# Altium PCB 主板.PcbDoc (part 2 of 2)
Units mil, origin at the board's own origin, x right, y up, seen from the top; angles counter-clockwise.
Board outline 7995 x 3149.61 mil, 2 copper layers (Top Layer, Bottom Layer); 88 components, 104 nets, 424 pads, 124 vias.
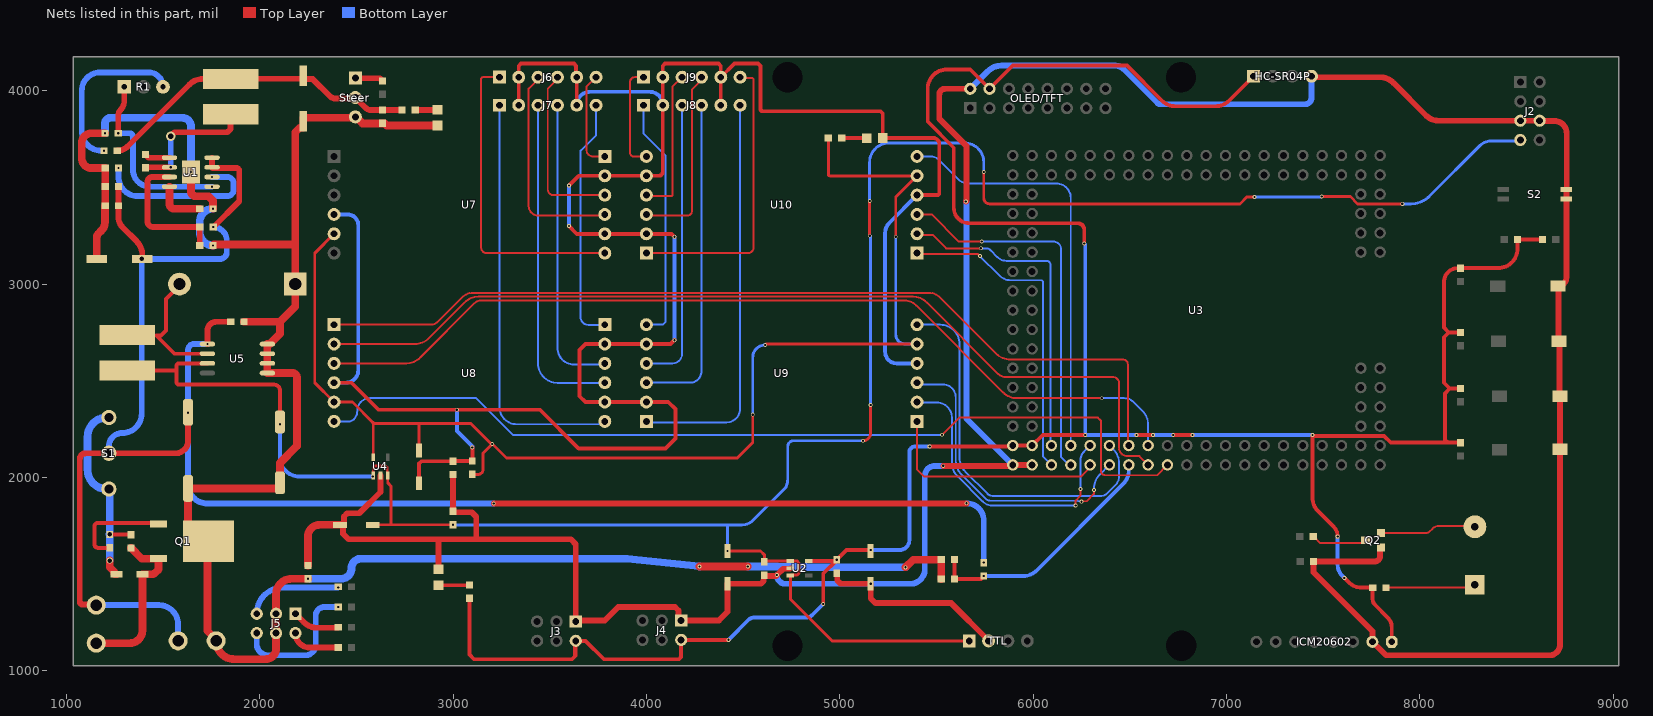
[diagram p2: the nets of this part, all layers, seen from the top]

## Via types
v1: diameter 19.68, hole 11.81, Top Layer to Bottom Layer, 120 vias
v2: diameter 31.5, hole 23.62, Top Layer to Bottom Layer, 3 vias
v3: diameter 50, hole 30, Top Layer to Bottom Layer, 1 vias

## Nets (pads, with @x,y where several pads share a name; then routed paths per layer and width w, separated by ;. In a path a pad name is that pad's centre, name@x,y a point inside that pad or via, vN(x,y) a via of type N, cw(c..) or ccw(c..) an arc to the next point about the centre after c; other vN are vias at no path point) (continued)
A4: U3.17 U8.7 | length 4798.3
  Top Layer w10: v1(5529.53,2220.47) 5618.58,2309.53 6335.47,2309.53 6350.47,2294.53 6350.47,2034.53 ccw(c6373.51,2034.53) 6373.51,2011.49 6641.49,2011.49 U3.17@6695,2065
  Bottom Layer w10: U8.7@2385,2290 2463.38,2290 ; 2463.43,2290 ccw(c2463.43,2322.08) 2486.11,2299.4 ccw(c2440.51,2345) 2505,2345 cw(c2570,2345) 2570,2410 3120,2410 3309.53,2220.47 v1(5529.53,2220.47)
A5: U3.16 U8.10 | length 4721.6
  Top Layer w10: U8.10@2385,2590 2758.58,2590 ccw(c2758.58,2690) 2829.29,2619.29 3110.86,2900.86 cw(c3145,2866.72) 3145,2915 5335,2915 cw(c5335,2830.5) 5394.75,2890.25 5845.71,2439.29 ccw(c5916.42,2510) 5916.42,2410 v1(6355,2410)
  Bottom Layer w10: v1(6355,2410) 6471.72,2410 cw(c6471.72,2341.72) 6520,2390 6565.71,2344.29 cw(c6495,2273.58) 6595,2273.58 U3.16@6595,2165
A6: U3.15 U8.11 | length 4863.8
  Top Layer w10: U8.11@2385,2690 2803.58,2690 ccw(c2803.58,2790) 2874.29,2719.29 3060.71,2905.71 cw(c3131.42,2835) 3131.42,2935 3135,2935 5365,2935 5378.58,2935 cw(c5378.58,2835) 5449.29,2905.71 5820,2535 ccw(c5856.21,2571.21) 5856.21,2520 6410,2520 cw(c6410,2485) 6445,2485 6445,2152.03 ccw(c6486.56,2152.03) 6486.56,2110.47 6549.53,2110.47 U3.15@6595,2065
A7: U3.14 U8.12 | length 4738.8
  Top Layer w10: U8.12@2385,2790 2883.79,2790 ccw(c2883.79,2841.21) 2919.99,2804.99 3045.25,2930.25 cw(c3105,2870.5) 3105,2955 5460,2955 cw(c5460,2870.5) 5519.75,2930.25 5810.71,2639.29 ccw(c5881.42,2710) 5881.42,2610 6465,2610 cw(c6465,2585) 6490,2585 6490,2170 U3.14@6495,2165
A8: C21.1 R18.1 R19.2 U3.13 | length 1278.7
  Top Layer w20: C21.1@5594,1575 R19.2@5594,1475 5730,1475 5736,1481 5737.5,1481 5745,1488.5 v1(5745,1490)
  Bottom Layer w20: v1(5745,1490) 5948.58,1490 ccw(c5948.58,1590) 6019.29,1519.29 6465.71,1965.71 ccw(c6395,2036.42) 6495,2036.42 U3.13@6495,2065
A10: U3.12 U9.7 | length 2025.6
  Bottom Layer w10: U9.7@5405,2785 U9.7@5400,2790 5520,2790 cw(c5520,2690) 5620,2690 5620,2101.42 ccw(c5720,2101.42) 5649.29,2030.71 5765,1915 ccw(c5789.14,1939.14) 5789.14,1905 6355.25,1905 ccw(c6355.25,1939.75) 6379.82,1915.18 6429.31,1964.66 ccw(c6378.03,2007.74) 6445,2007.74 6445,2073.58 ccw(c6345,2073.58) 6415.71,2144.29 U3.12@6395,2165
A11: U3.11 U9.10 | length 1586.4
  Top Layer w10: v1(6250,1875) 6251.85,1876.85 6276.85,1876.85 6315,1915 v1(6315,1935)
  Bottom Layer w10: U9.10@5400,2490 5409.27,2480.73 5534.27,2480.73 cw(c5534.27,2415) 5600,2415 5600,2086.42 ccw(c5700,2086.42) 5629.29,2015.71 5755,1890 ccw(c5779.9,1914.9) 5779.9,1879.68 6230.29,1879.68 6233.12,1876.85 6248.15,1876.85 v1(6250,1875) ; v1(6315,1935) 6315,1943.58 cw(c6415,1943.58) 6344.29,2014.29 U3.11@6395,2065
A12: U3.10 U9.11 | length 1546.2
  Top Layer w10: v1(6220,1854.84) 6220,1880.47 6245,1905.47 v1(6245,1940.16)
  Bottom Layer w10: U9.11@5400,2390 5402.61,2387.39 5502.61,2387.39 cw(c5502.61,2310) 5580,2310 5580,2076.42 ccw(c5680,2076.42) 5609.29,2005.71 5740,1875 ccw(c5788.66,1923.66) 5788.66,1854.84 v1(6220,1854.84) ; v1(6245,1940.16) 6245,2090 cw(c6305.36,2090) 6262.68,2132.68 U3.10@6295,2165
A13: U3.9 U9.12 | length 1192.6
  Top Layer w10: U9.12@5400,2290 5400,2040 5435,2005 6249.14,2005 6255,2010.86 6255,2011.73 6295,2051.73 U3.9@6295,2065
A16: U3.8 U10.7 | length 2184
  Bottom Layer w10: U10.7@5409.53,3650.47 U10.7@5400,3660 5473.79,3660 cw(c5473.79,3608.79) 5509.99,3645.01 5612.98,3542.02 ccw(c5665,3594.04) 5665,3520.47 6119.53,3520.47 cw(c6119.53,3445) 6195,3445 U3.8@6195,2165
A17: U3.7 U10.10 | length 1981.3
  Top Layer w10: U10.10@5400,3360 5475,3360 5615,3220 v1(5735,3220)
  Bottom Layer w10: U10.10@5400,3360 U10.10@5409.53,3350.47 ; v1(5735,3220) 5735.47,3220.47 6104.53,3220.47 cw(c6104.53,3180) 6145,3180 6145,2105 6185,2065 U3.7@6195,2065
A20: U3.6 U10.11 | length 1705.6
  Top Layer w10: U10.11@5400,3260 5405,3255 5480,3255 5550,3185 v1(5730,3185)
  Bottom Layer w10: U10.11@5400,3260 U10.11@5409.53,3250.47 ; v1(5730,3185) 5755,3185 cw(c5755,3148.79) 5780.61,3174.39 5815,3140 ccw(c5862.14,3187.14) 5862.14,3120.47 6069.53,3120.47 cw(c6069.53,3100) 6090,3100 6090,2170 U3.6@6095,2165
A21: U3.5 U10.12 | length 1689
  Top Layer w10: U10.12@5400,3160 5405,3155 5715,3155 v1(5725,3145)
  Bottom Layer w10: U10.12@5400,3160 U10.12@5410,3150 ; v1(5725,3145) 5825.25,3044.75 ccw(c5885,3104.5) 5885,3020 6044.61,3020 6050.47,3014.14 6050.47,2109.53 U3.5@6095,2065
FB: R1.1 R2.1 U1.5 | length 964
  Top Layer w30: v1(1269,3780) 1269,3873.44 cw(c1306.56,3873.44) 1280,3900 ccw(c1231.72,3948.28) 1300,3948.28 R1.1@1300,4020
  Bottom Layer w30: v1(1269,3780) 1327.43,3780 cw(c1327.43,3762.43) 1345,3762.43 1345,3591.16 ccw(c1431.91,3591.16) 1431.91,3504.25 ccw(c1441.2,3600) 1441.2,3503.8 v1(1753.77,3503.8)
GND5V: C6.2 C7.2 C8.2 C9.2 C15.2 C18.2 FB1.2 FB2.2 HC-SR04P.4 ICM20602.2 J2.5 J2.6 J3.1 J4.1 LED1.2 OLED/TFT.2 Q2.1 R22.1 S2.3 S2.4 S3.2 S4.2 S5.2 S6.2 TTL.2 U2.2 U3.1 U3.3 U4.2 | length 17664.5
  Top Layer w30: C15.2@2430.79,1750.75 2430.79,1709.21 2460,1680 2925,1680 ; C15.2@2435.04,1755 2435.79,1755.75 2435.79,1797.43 2453.36,1815 2515,1815 2625,1925 U4.2@2625,2010 ; LED1.2@2925,1525 2925,1680 ; C18.2@3000,1825 FB1.2@3000,2015 ; C18.2@3005,1820 3096.57,1820 3120,1796.57 3120,1680 ; U2.2@4745,1530 4742.44,1527.44 4707.44,1527.44 v1(4675,1495) 4670,1490 4630.07,1490 4629.07,1491 4612.5,1491 4610,1493.5 C8.2@4610,1495 4607.5,1492.5 4607.5,1465.43 4592.43,1450.35 C6.2@4420,1450.35 4420,1305 4375,1260 J4.1@4180,1260 4165.79,1274.21 4165.79,1312.43 4148.22,1330 3855,1330 3785,1260 3640,1260 J3.1@3635,1255 3635,1655 3610,1680 3120,1680 ; C9.2@4985,1505 4987.5,1502.5 4987.5,1467.57 5005.07,1450 5159.25,1450 5159.61,1450.35 C7.2@5160,1450.35 5160.75,1449.61 5160.75,1374.25 5185,1350 5577.28,1350 5770,1157.28 TTL.2@5770,1155 ; v1(5535,2060) 5890,2060 U3.1@5895,2065 U3.3@5995,2065 ; v1(5652.5,3427.5) 5655,3430 5655,3715 5515,3855 5515,3980 cw(c5545,3980) 5545,4010 OLED/TFT.2@5675,4010 ; HC-SR04P.4@7440,4075 7445,4070 7793.58,4070 cw(c7793.58,3970) 7864.29,4040.71 8035.25,3869.75 ccw(c8095,3929.5) 8095,3845 J2.5@8520,3845 J2.6@8620,3845 8621.5,3843.5 8696.5,3843.5 cw(c8696.5,3780) 8760,3780 8760,3491.61 S2.4@8758.39,3490 S2.3@8758.39,3440 8758.39,3033.39 cw(c8715,3033.39) S3.2@8715,2990 8717.5,2987.5 8717.5,2707.5 S4.2@8720,2705 8722.5,2702.5 8722.5,2422.5 S5.2@8725,2420 S6.2@8725,2145 8725,1135 cw(c8670,1135) 8670,1080 7825,1080 ICM20602.2@7755,1150 7755,1205 7450,1510 R22.1@7450,1565 7765,1565 ccw(c7765,1595) 7795,1595 7795,1633 Q2.1@7800,1638 ; 2925,1680 3120,1680
  Top Layer w40: FB2.2@2250,1545 2250,1695 cw(c2310,1695) 2310,1755 C15.2@2415.35,1755 2426.54,1755 C15.2@2430.79,1750.75
  Bottom Layer w30: v1(4675,1495) ccw(c4720,1495) 4720,1450 v1(5160,1450) 5365,1450 ccw(c5365,1525) 5440,1525 5440,2007.43 cw(c5492.57,2007.43) 5492.57,2060 v1(5535,2060) ; v1(5652.5,3427.5) 5655,3425 5655,3270 ; 5655,3265 5655,2305 U3.1@5895,2065 ; OLED/TFT.2@5675,4010 5765.71,4100.71 cw(c5836.42,4030) 5836.42,4130 5855,4130 6425,4130 cw(c6425,4069.64) 6467.68,4112.32 6642.93,3937.07 ccw(c6660,3954.14) 6660,3930 7405,3930 ccw(c7405,3965) 7440,3965 HC-SR04P.4@7440,4075
GNDBAT: C1.2 C2.1 C3.1 C5.2 C10.2 C11.2 C12.1 C16.2 C17.2 C19.2 C21.2 D4.1 FB2.1 J1.1 J5.3 J5.4 LED2.2 Q1.2 R2.2 R7.2 R19.1 Steer.3 U1.9 U5.5 U5.6 U5.7 U5.8 | length 11371
  Top Layer w40: C1.2@1156.89,3130 1156.89,3240.42 cw(c1184.58,3240.42) 1165,3260 1182.32,3277.32 ccw(c1139.64,3320) 1200,3320 1200,3404 C2.1@1201,3405 C3.1@1201,3505 C5.2@1201,3600 1130,3600 cw(c1130,3650) 1080,3650 1080,3730 cw(c1130,3730) 1130,3780 v1(1200,3780) ; v1(1645,3580) 1645,3478.43 ccw(c1668.43,3478.43) 1668.43,3455 1735.57,3455 1759,3431.57 v1(1759,3390) ; Q1.2@1726.46,1661.81 1630,1758.27 C16.2@1630,1943.15 2099.41,1943.15 2105,1948.74 C19.2@2105,1972.52 2105,2075 2192.73,2162.73 2192.73,2516.57 ccw(c2169.3,2516.57) 2169.3,2540 U5.5@2040,2540 U5.6@2040,2590 U5.7@2040,2640 U5.8@2040,2690 2052,2690 2105,2743 2105,2805 ; Q1.2@1734.65,1670 1730,1665.35 1730,1207.64 1775,1162.64 J1.1@1775,1155 ccw(c1870,1155) 1870,1060 2030,1060 ccw(c2030,1115) 2085,1115 J5.4@2085,1195 J5.3@2085,1295 2085,1395 cw(c2166,1395) 2166,1476 v1(2250,1476) ; v1(1759,3200) 1764,3205 2184.21,3205 ; C17.2@1919,2805 2105,2805 ; LED2.2@2920,3820 2657.75,3820 2646.75,3831 C11.2@2635,3831 2531.9,3831 2497.9,3865 Steer.3@2495,3865 2489.85,3859.85 2225.31,3859.85 2225,3859.53 C10.2@2225,3841.89 2225,3809.06 2224.69,3808.74 2207.96,3808.74 2184.21,3784.99 2184.21,3205 ; v1(4275,1540) v1(4525,1540) ; v1(5340,1535) 5380,1575 C21.2@5525,1575 R19.1@5525,1475 ; 2105,2805 2184.21,2884.21 D4.1@2184.21,3000 2184.21,3205
  Bottom Layer w40: v1(1200,3780) 1200,3830 cw(c1230,3830) 1230,3860 1600,3860 cw(c1600,3815) 1645,3815 v1(1645,3580) ; v1(1759,3200) cw(c1759,3269) 1690,3269 1690,3321 cw(c1759,3321) v1(1759,3390) ; v1(2250,1476) 2421,1476 ccw(c2421,1530) 2475,1530 cw(c2525,1530) 2525,1580 3901.13,1580 v1(4275,1540) ; v1(4525,1540) 4675,1540 cw(c4675,1495) 4675.93,1539.99 4984.25,1534.16 ccw(c4985,1574) 4985.09,1534.16 v1(5340,1535)
GNDOP: C13.2 C14.2 FB1.1 J6.2 J6.5 J7.2 J7.5 J8.2 J8.5 J9.2 J9.5 LED3.2 U7.2 U7.5 U7.9 U8.2 U8.5 U8.9 U9.2 U9.5 U9.9 U10.2 U10.5 U10.9 | length 12266.5
  Top Layer w20: U8.9@2385,2490 2475,2490 2615,2350 v1(3020,2350) 3450,2350 3650,2150 4099.29,2150 4150,2200.71 4150,2353.28 4113.28,2390 U9.2@4000,2390 U8.5@3785,2390 3685,2390 3655,2420 3655,2660 3685,2690 3775,2690 3780,2685 U8.2@3785,2690 U9.5@4000,2690 4125,2690 v1(4145,2710) ; C14.2@2825,1970.35 2825,2072.28 2836.72,2084 2964,2084 FB1.1@3000,2084 3000.5,2084.5 3099.5,2084.5 C13.2@3100,2085 v1(3100,2155) ; J7.2@3340,3925 J6.2@3340,4070 3340,4128.28 3351.72,4140 3625,4140 3636.72,4128.28 3636.72,4073.28 J6.5@3640,4070 J7.5@3640,3925 ; v1(3600,3300) 3640,3260 U7.5@3785,3260 U10.2@4000,3260 4130,3260 v1(4145,3245) ; v1(3600,3510) 3650,3560 U7.2@3785,3560 U10.5@4000,3560 4065,3560 ccw(c4065,3580) 4085,3580 J8.2@4085,3925 J9.2@4085,4070 4085,4128.28 4096.72,4140 4373.28,4140 4385,4128.28 J9.5@4385,4070 ; J8.5@4385,3925 J9.5@4385,4070 ; U10.9@5400,3460 5503.28,3460 ccw(c5503.28,3471.72) 5515,3471.72 5515,3725 ccw(c5484.8,3725) 5484.8,3755.2 LED3.2@5222.3,3755.2 5222.3,3882.13 5210.58,3893.85 4601.72,3893.85 cw(c4601.72,3905.57) 4590,3905.57 4590,4128.28 4578.28,4140 4455,4140 J9.5@4385,4070
  Bottom Layer w20: U8.9@2385,2490 2445.77,2490 ccw(c2445.77,2554.23) 2510,2554.23 2510,3305 ccw(c2455,3305) 2455,3360 U7.9@2385,3360 ; v1(3020,2350) 3020,2240 3100,2160 v1(3100,2155) ; J7.2@3340,3925 J7.2@3345,3920 ; v1(3600,3300) v1(3600,3510) ; J7.5@3640,3925 cw(c3710,3925) 3710,3995 4015,3995 cw(c4015,3925) J8.2@4085,3925 J8.2@4090,3920 ; U8.5@3785,2390 U8.5@3790,2390 ; U8.2@3785,2685 U8.2@3785,2690 ; U9.2@4000,2390 U9.2@4005,2385 ; U10.2@4000,3260 U10.2@4005,3265 ; v1(4145,2710) v1(4145,3245) ; U9.9@5400,2590 5295,2590 cw(c5295,2650) 5235,2650 5235,3265 cw(c5307.43,3265) 5256.21,3316.21 U10.9@5400,3460
NetC4_1: C4.1 L1.1 U1.2 | length 686.6
  Top Layer w30: C4.1@1410,3601 1410,3601.3 1412.5,3603.8 U1.2@1533.77,3603.8 ; v3(1540,3765) 1560,3785 1832.43,3785 1850,3802.57 L1.1@1850,3878.46
  Bottom Layer w30: v1(1540,3605) v3(1540,3765)
NetC4_2: C4.2 U1.1 | length 131.4
  Top Layer w30: C4.2@1410,3670 1410,3668.5 1424.7,3653.8 U1.1@1533.77,3653.8
NetC5_1: C5.1 U1.6 | length 879.2
  Bottom Layer w30: v1(1270,3600) 1270,3555 ccw(c1370,3555) 1370,3455 1832.43,3455 ccw(c1832.43,3487.57) 1865,3487.57 1865,3521.23 ccw(c1832.43,3521.23) 1832.43,3553.8 v1(1753.77,3553.8)
NetC12_2: C12.2 U1.4 | length 260
  Top Layer w40: U1.4@1533.77,3503.8 1533.77,3413.43 ccw(c1557.2,3413.43) 1557.2,3390 C12.2@1690,3390
NetD1_1: D1.1 J10.1 Q1.3 R8.1 | length 880.4
  Top Layer w40: J10.1@1155,1143.15 1328.15,1143.15 ccw(c1328.15,1208.86) 1393.86,1208.86 D1.1@1393.86,1500 1445,1500 ccw(c1445,1531.77) 1454.93,1501.59 1475.18,1521.84 ccw(c1445,1531.77) 1476.77,1531.77 Q1.3@1476.77,1580.24 1389.76,1580.24 R8.1@1335,1635
NetD1_2: D1.2 R8.2 R10.2 S1.1 S1.3 | length 1084.1
  Top Layer w20: S1.1@1220,1939.96 S1.1@1222.5,1937.46 ; R10.2@1222.5,1707.5 v2(1223.75,1706.25) R10.2@1225,1705 1225.5,1704.5 1334.5,1704.5 R8.2@1335,1704
  Top Layer w40: v2(1225,1570) 1225,1535 1248.5,1511.5 1248.5,1503.27 1251.77,1500 D1.2@1260,1500
  Bottom Layer w20: S1.1@1215.04,1939.96 S1.1@1220,1939.96
  Bottom Layer w40: S1.1@1215.04,1939.96 1210,1939.96 cw(c1210,2039.96) 1110,2039.96 1110,2210.04 cw(c1210,2210.04) 1210,2310.04 S1.3@1220,2310.04 ; S1.1@1220,1939.96 1225,1934.96 1225,1707.5 v2(1223.75,1706.25) 1225,1705 v2(1225,1570)
NetD4_2: D4.2 L2.2 U5.2 | length 634
  Top Layer w20: D4.2@1585.79,2994.42 1515,2923.63 1515,2760 1490,2735 1465,2735 1560,2640 U5.2@1730,2640
  Top Layer w30: D4.2@1585.79,2994.42 D4.2@1585.79,3000
NetJ5_1: J5.1 R16.2 | length 247.8
  Top Layer w30: J5.1@2185,1295 2228.21,1251.79 ccw(c2298.92,1322.5) 2298.92,1222.5 2403.5,1222.5 R16.2@2406,1225
NetJ5_2: J5.2 R25.2 | length 263.8
  Top Layer w30: J5.2@2185,1195 ccw(c2260,1195) 2260,1120 R25.2@2406,1120
NetJ5_5: J5.5 R15.1 | length 498.6
  Bottom Layer w30: J5.5@1985,1295 cw(c2121,1295) 2121,1431 v1(2406,1431)
NetJ5_6: J5.6 R24.1 | length 717.3
  Bottom Layer w30: J5.6@1985,1195 1985,1140 ccw(c2045,1140) 2045,1080 2235,1080 ccw(c2235,1135) 2290,1135 2290,1285 cw(c2335,1285) 2335,1330 v1(2406,1330)
NetJ6_1: J6.1 U7.6 | length 1627.8
  Top Layer w10: J6.1@3240,4070 3155,4070 ccw(c3155,4060) 3145,4060 3145,3190 ccw(c3175,3190) 3175,3160 U7.6@3785,3160
NetJ6_3: J6.3 U7.4 | length 1109.8
  Top Layer w10: J6.3@3440,4070 3440,4059.08 3391.54,4010.62 3391.54,3403.46 ccw(c3440,3403.46) 3440,3355 3780,3355 U7.4@3785,3360
NetJ6_4: J6.4 U7.3 | length 913.5
  Top Layer w10: J6.4@3540,4070 3540,4060 3490,4010 3490,3490 ccw(c3520,3490) 3520,3460 3783.28,3460 3784.14,3459.14 U7.3@3785,3460
NetJ6_6: J6.6 U7.1 | length 510.7
  Top Layer w10: J6.6@3740,4070 3690,4020 3690,3695 ccw(c3725,3695) 3725,3660 U7.1@3785,3660
NetJ7_1: J7.1 U8.6 | length 2162.6
  Bottom Layer w10: J7.1@3240,3925 3240,2366.5 3240,2366.41 ccw(c3329.9,2364.91) 3329.9,2275 3329.96,2275 3754.6,2275 3769.6,2290 U8.6@3785,2290
NetJ7_3: J7.3 U8.4 | length 1738.3
  Bottom Layer w10: J7.3@3440,3925 3440,2589.14 ccw(c3540,2589.14) 3540,2489.14 3784.14,2489.14 U8.4@3785,2490
NetJ7_4: J7.4 U8.3 | length 1551.4
  Bottom Layer w10: J7.4@3540,3925 3540,2670 ccw(c3625.86,2670) 3625.86,2584.14 3779.14,2584.14 U8.3@3785,2590
NetJ7_6: J7.6 U8.1 | length 1277.2
  Bottom Layer w10: J7.6@3740,3925 3740,3770 3660,3690 3660,2829.14 ccw(c3700,2829.14) 3700,2789.14 3784.14,2789.14 U8.1@3785,2790
NetJ8_1: J8.1 U9.6 | length 1273.8
  Bottom Layer w10: J8.1@3985,3925 3985,3780 4100,3665 4100,2805 4085,2790 U9.6@4000,2790
NetJ8_3: J8.3 U9.4 | length 1505.6
  Bottom Layer w10: U9.4@4005,2585 U9.4@4000,2590 4135,2590 ccw(c4135,2640) 4185,2640 J8.3@4185,3925
NetJ8_4: J8.4 U9.3 | length 1701.3
  Bottom Layer w10: U9.3@4005,2485 U9.3@4000,2490 4225,2490 ccw(c4225,2550) 4285,2550 J8.4@4285,3925
NetJ8_6: J8.6 U9.1 | length 2097
  Bottom Layer w10: U9.1@4000,2290 4005,2285 4415,2285 ccw(c4415,2355) 4485,2355 J8.6@4485,3925
NetJ9_1: J9.1 U10.6 | length 544.7
  Top Layer w10: J9.1@3985,4070 3940,4070 ccw(c3940,4045.86) 3915.86,4045.86 3915.86,3679.14 ccw(c3935,3679.14) 3935,3660 U10.6@4000,3660
NetJ9_3: J9.3 U10.4 | length 770.3
  Top Layer w10: U10.4@4000,3460 4005,3455 4129.14,3455 ccw(c4129.14,3460.86) 4135,3460.86 4135,4020 J9.3@4185,4070
NetJ9_4: J9.4 U10.3 | length 964.2
  Top Layer w10: U10.3@4000,3360 4005,3355 4215,3355 ccw(c4215,3375) 4235,3375 4235,4005 4285,4055 J9.4@4285,4070
NetJ9_6: J9.6 U10.1 | length 1515.8
  Top Layer w10: U10.1@4000,3160 4525,3160 ccw(c4525,3190) 4555,3190 4555,4059.14 4549.14,4065 4490,4065 J9.6@4485,4070
NetLED1_1: LED1.1 R5.1 | length 158.5
  Top Layer w20: LED1.1@2925.2,1442.7 R5.1@3083.7,1442.7
NetLED2_1: LED2.1 R9.2 | length 115.8
  Top Layer w30: R9.2@2805,3900 2806.15,3901.15 2918.65,3901.15 LED2.1@2919.8,3902.3
NetLED3_1: LED3.1 R11.1 | length 130
  Top Layer w20: R11.1@5010,3755 LED3.1@5140,3755
NetQ1_1: Q1.1 R10.1 | length 526.2
  Top Layer w20: R10.1@1225,1636 1164,1636 cw(c1164,1655) 1145,1655 1145,1745 cw(c1165,1745) 1165,1765 1471.54,1765 Q1.1@1476.77,1759.76
NetQ2_2: Q2.2 R20.1 | length 291.7
  Top Layer w10: R20.1@7449,1695 7450.5,1695 7485.5,1660 7705,1660 Q2.2@7720,1675
NetQ2_3: Q2.3 U6.2 | length 499.3
  Top Layer w10: Q2.3@7800,1713 8033.1,1713 ccw(c8033.1,1736.9) 8050,1720 8065.86,1735.86 cw(c8100,1701.72) 8100,1750 8280,1750 U6.2@8285,1745
NetR1_3: R1.3 R4.1 | length 899.1
  Bottom Layer w30: v1(1195,3690) 1180,3690 cw(c1180,3790) 1080,3790 1080,4000 cw(c1175,4000) 1175,4095 1425,4095 cw(c1425,4020) R1.3@1500,4020
NetR3_1: R3.1 Steer.1 | length 147.1
  Top Layer w30: Steer.1@2495,4065 2621.5,4065 2635,4051.5 R3.1@2635,4050
NetR6_1: R6.1 R7.1 U1.3 | length 715.9
  Top Layer w30: U1.3@1533.77,3553.8 1443.8,3553.8 ccw(c1443.8,3530) 1420,3530 1420,3325 ccw(c1450,3325) 1450,3295 R6.1@1691,3295 1690.5,3294.5 1690.5,3200.5 R7.1@1690,3200
NetR13_1: R13.1 U6.1 | length 466.2
  Top Layer w10: R13.1@7825,1430 8270,1430 U6.1@8285,1445
VCC3V3: C7.1 C9.1 HC-SR04P.1 ICM20602.1 J3.2 J4.2 OLED/TFT.4 R5.2 R13.2 R14.1 R17.1 R21.1 R23.1 R26.1 R27.1 U2.5 U3.2 U3.4 | length 14066.9
  Top Layer w20: R5.2@3085,1375 3085,1083.43 3108.43,1060 3615,1060 3635,1080 J3.2@3635,1155 3685,1155 3780,1060 4168.28,1060 4180,1071.72 J4.2@4180,1160 v1(4425,1160) ; 3630.6,1083.43 J3.2@3630.6,1150.6 ; U2.5@4839.49,1567.4 4839.65,1567.56 4978.56,1567.56 v1(4985,1574) ; v1(4915,1345) 4915,1502.5 4985,1572.5 v1(4985,1574) ; C7.1@5160,1619.65 5154.65,1625 5034.5,1625 4985,1575.5 v1(4985,1574) ; v1(5465,2160) 5890,2160 U3.2@5895,2165 U3.4@5995,2165 6050,2220 v1(6270,2220) ; v1(6265,3210) 6265,3280 ccw(c6230,3280) 6230,3315 5670,3315 cw(c5670,3395) 5590,3395 5590,3705 5455,3840 5455,4010 cw(c5555,4010) 5555,4110 5675,4110 OLED/TFT.4@5775,4010 5895,4130 6485,4130 6665.71,3949.29 ccw(c6736.42,4020) 6736.42,3920 6943.58,3920 ccw(c6943.58,4020) 7014.29,3949.29 HC-SR04P.1@7140,4075 ; v1(6535,2220) v1(6620,2220) ; v1(6725,2220) v1(6825,2220) ; v1(7575,1695) ccw(c7502.57,1695) 7553.79,1746.21 7473.28,1826.72 cw(c7541.57,1895) 7445,1895 v1(7445,2220) 7450,2215 7815.04,2215 7850.04,2180 8145,2180 ; v1(7610,1480) 7630.71,1459.29 ccw(c7701.42,1530) 7701.42,1430 R13.2@7756,1430 7756,1370 ccw(c7794.63,1370) 7767.31,1342.69 7833.79,1276.21 cw(c7782.57,1225) 7855,1225 ICM20602.1@7855,1150 ; R27.1@8210,2180 8145,2180 ; R26.1@8210,2460 8155,2460 ; R23.1@8210,2750 8150,2750 ; R14.1@8635,3230 R17.1@8505,3230 8505,3182.75 cw(c8405,3182.75) 8405,3082.75 R21.1@8210,3082.75 8197.75,3082.75 ccw(c8197.75,3010) 8125,3010 8125,2775 8150,2750 ; 8145,2180 8130,2195 8130,2435 8155,2460 ; 8150,2750 8125,2725 8125,2490 8155,2460
  Top Layer w40: J3.2@3630.6,1150.6 J3.2@3635,1155
  Bottom Layer w20: v1(4425,1160) 4529.39,1264.39 cw(c4555,1238.79) 4555,1275 4823.79,1275 ccw(c4823.79,1326.21) 4859.99,1289.99 v1(4915,1345) ; v1(5160,1625) 5310,1625 ccw(c5310,1675) 5360,1675 5360,2130 cw(c5390,2130) 5390,2160 v1(5465,2160) ; v1(6265,3210) 6270,3205 v1(6270,2220) v1(6535,2220) ; v1(6620,2220) v1(6725,2220) ; v1(6825,2220) v1(7445,2220) ; v1(7575,1695) 7575,1550 ccw(c7659.5,1550) 7599.75,1490.25 v1(7610,1480)
VCC5V: C6.1 C8.1 C15.1 C18.1 C19.1 J2.7 L2.1 TTL.1 U2.1 U2.3 U4.1 U4.3 U5.3 | length 12289.7
  Top Layer w15: C15.1@2584.65,1755 2585.15,1755.5 2680,1755.5 ; U4.1@2587.6,2010 2587.6,2051.21 2596.39,2060 2651.27,2060 2660.06,2051.21 2660.06,2012.34 U4.3@2662.4,2010 2662.4,1972.28 2680,1954.69 2680,1755.5 ; v1(3000,1756) 2999.5,1755.5 2680,1755.5 ; v1(4420,1619.65) 4590.35,1619.65 4610,1600 C8.1@4610,1564 4613.4,1567.4 U2.1@4745,1567.4 4780.35,1567.4 4790,1557.75 4790,1505 4779.94,1494.94 4747.34,1494.94 U2.3@4745,1492.6 4745,1370 4960,1155 TTL.1@5670,1155 ; v1(5120,2190) ccw(c5120,2230) 5160,2230 v1(5160,2375) ; v1(5155,3250) v1(5155,3430) ; v1(5745,3580) 5745,3445 ccw(c5775,3445) 5775,3415 7070,3415 7105,3450 v1(7145,3450) ; v1(7492.5,3452.5) 7640.99,3452.5 7678.49,3415 v1(7910,3415)
  Top Layer w20: L2.1@1315,2553.46 1567.39,2553.46 1570.86,2550 ; U5.3@1730,2590 1582.57,2590 ccw(c1582.57,2578.28) 1570.86,2578.28 1570.86,2550 ; C19.1@2105,2287.48 2105,2450 ccw(c2075,2450) 2075,2480 1582.57,2480 cw(c1582.57,2491.72) 1570.86,2491.72 1570.86,2550
  Bottom Layer w15: v1(3000,1756) 3000.9,1755.1 3004.21,1755.1 3004.31,1755 4493.83,1755 ccw(c4493.83,1837.93) 4552.47,1779.29 4556.59,1783.41 4718.52,1945.34 ccw(c4707.94,1955.97) 4721.44,1949.44 ccw(c4631.29,1992.71) 4731.29,1992.71 4731.29,2160 cw(c4761.29,2160) 4761.29,2190 v1(5120,2190) ; v1(4420,1619.65) 4420.9,1620.54 4420.9,1648.4 ; 4420,1648.4 4420,1750 ; v1(5155,3250) 5160,3245 v1(5160,2375) ; v1(5155,3430) 5155,3630 cw(c5255,3630) 5255,3730 5645,3730 cw(c5645,3630) 5745,3630 v1(5745,3580) ; v1(7145,3450) 7490,3450 v1(7492.5,3452.5) ; v1(7910,3415) 7953.58,3415 ccw(c7953.58,3551.21) 8049.9,3454.9 8312.78,3717.78 cw(c8366.42,3664.14) 8366.42,3740 8515,3740 J2.7@8520,3745
  Bottom Layer w20: v1(2105,2275) 2105,2105 ccw(c2205,2105) 2205,2005 v1(2585,2005)
VCCBAT: C1.1 C2.2 C3.2 C16.1 C17.1 J1.2 J10.2 R6.2 R18.2 S1.2 U1.7 U1.8 U5.1 | length 10325
  Top Layer w30: J10.2@1155,1340 1152.09,1342.91 1084.67,1342.91 cw(c1084.67,1357.57) 1070,1357.57 1070,2095 cw(c1100,2095) 1100,2125 S1.2@1220,2125 1565,2125 ccw(c1565,2190) 1630,2190 v1(1630,2335) C16.1@1630,2336.85 ; C3.2@1270,3505 C2.2@1270,3405 1270,3345 ccw(c1342.43,3345) 1291.21,3293.79 1363.82,3221.18 cw(c1293.11,3150.47) 1393.11,3150.47 C1.1@1393.11,3130 ; v1(1730,2690) 1730,2760 cw(c1775,2760) 1775,2805 C17.1@1850,2805 ; U1.8@1753.77,3653.8 U1.7@1753.77,3603.8 1756.77,3600.8 1877.43,3600.8 cw(c1877.43,3583.23) 1895,3583.23 1895,3428.5 1761.5,3295 v1(1760,3295) ; v1(3210.93,1865) 5655,1865 v1(5656.25,1866.25)
  Bottom Layer w30: J10.2@1155,1340 1478.15,1340 cw(c1478.15,1240) 1578.15,1240 J1.2@1578.15,1155 ; S1.2@1220,2125 1220,2160 cw(c1290,2160) 1290,2230 ccw(c1290,2330) 1390,2330 v2(1390,3130) 1795,3130 ccw(c1795,3165) 1830,3165 1830,3225 ccw(c1760,3225) v1(1760,3295) ; v1(1730,2690) 1660,2690 ccw(c1660,2660) 1630,2660 v1(1630,2335) 1630,1965 ccw(c1730,1965) 1730,1865 v1(3210.93,1865) ; v1(5656.25,1866.25) cw(c5656.25,1777.5) 5745,1777.5 v1(5745,1560)
VCCOP: C13.1 C14.1 R11.2 U4.5 U7.8 U8.8 U9.8 U10.8 | length 6786.6
  Top Layer w15: U7.8@2385,3260 2285,3160 2285,2490 U8.8@2385,2390 2480,2390 2587.6,2282.4 U4.5@2587.6,2104.49 ; 2590,2280 2825,2280 ; C14.1@2825,2139.65 2825,2280 ; C13.1@3101,2015 C13.1@3100,2016 3131,2016 ccw(c3131,2040) 3155,2040 3155,2125 v1@3200,2170 ; v1(4550,2325) 4550,2180 4470,2100 3276.27,2100 3203.77,2172.5 v1(3202.5,2172.5) v1@3200,2170 ; v1(4615,2685) 4620,2690 U9.8@5400,2690 ; R11.2@4941,3755 4941,3568.79 ccw(c4949.79,3568.79) 4949.79,3560 5395,3560 5395,3555 5290,3450 v1(5290,3245) ; 2825,2280 3090,2280 v1@3200,2170
  Top Layer w20: 2587.6,2282.4 2590,2280
  Bottom Layer w15: v1(4550,2325) 4550,2620 cw(c4615,2620) v1(4615,2685) ; v1(5290,3245) 5290,2740 ccw(c5340,2740) 5340,2690 U9.8@5400,2690
VCCSteer: C10.1 C11.1 L1.2 R4.2 R9.1 Steer.2 | length 1702.8
  Top Layer w30: R4.2@1266.5,3692.5 R4.2@1264,3690 ccw(c1264,3764.84) 1316.92,3711.92 1637.25,4032.25 cw(c1707.96,3961.54) 1707.96,4061.54 L1.2@1850,4061.54 2220.31,4061.54 2225,4066.22 C10.1@2225,4078.11 ; C10.1@2225,4060 2275,4060 2362.5,3972.5 ccw(c2392.68,4002.68) 2392.68,3960 2490,3960 Steer.2@2495,3965 2549.39,3910.61 ccw(c2575,3936.21) 2575,3900 C11.1@2635,3900 R9.1@2736,3900
pads on no net: ICM20602.7 ICM20602.8 J2.2 J2.8 J3.5 J3.6 J4.5 J4.6 R1.2 U2.4 U3.22 U3.23 U3.26 U3.29 U3.32 U3.33 U3.42 U3.43 U3.44 U3.45 U3.46 U3.47 U3.48 U3.49 U3.50 U3.51 U3.52 U3.53 U3.64 U3.69 U3.70 U3.71 U3.72 U3.73 U3.78 U3.79 U3.80 U3.85 U3.87 U3.90 U3.91 U3.92 U3.93 U3.94 U3.95 U3.96 U3.97 U3.99 U3.100 U3.101 U3.102 U3.103 U3.104 U3.105 U3.106 U3.107 U3.109 U3.110 U3.111 U3.112 U3.113 U3.114 U3.115 U3.116 U3.117 U3.118 U3.119 U3.120 U3.121 U3.122 U4.4 U5.4

## Polygon pours and split planes (outlines as drawn)
no net on Top Layer "NONET_L01_P000" (solid, pour order 0): 1035,4174.61 9030,4174.61 9030,1025 1035,1025
no net on Bottom Layer "NONET_L02_P001" (solid, pour order 1): 1035,4174.61 9030,4174.61 9030,1025 1035,1025

## Keep-outs
Keep-Out Layer:
  lines w10: 1035,1025 1035,4174.61 7334.21,4174.61 9030,4174.61 9030,1025 7334.21,1025 1035,1025

## Other copper
Top Layer:
  pour cut-out: 1475,2820 1475,2480 1145,2480 1140,2485 1145,2490 1145,2820
  pour cut-out: 2020,4130 2020,3800 1655,3800 1655,4130
Bottom Layer:
  pour cut-out: 1120,2755 1515,2755 1515,2430 ccw(c1454.64,2369.64) 1454.64,2455 1120,2455
  pour cut-out: 1665,4105 2025,4105 2025,3805 1665,3805

## Silkscreen, mask and mechanical layers (free items; w line width, h text height)
Top Overlay:
  text "INPUT" at 1060,1730 h60 r270
  text "DESIGNED by AKI" at 7855,1266.66 h80
  text "Version 1.0" at 8035,1140 h80

## Text inside footprints (layer, text, board x,y; h text height)
J2: Top Overlay "8" at 8600,3685 h40 r270; Top Overlay "1" at 8500,4135 h40 r270; Top Overlay "2" at 8600,4145 h40 r270; Top Overlay "7" at 8500,3685 h40 r270
LED1: Top Overlay "+" at 2944.2,1393.7 h30 r90
LED2: Top Overlay "+" at 2900.8,3951.3 h30 r270
LED3: Top Overlay "+" at 5091,3736 h30
OLED/TFT: Top Overlay "15" at 6455,3880 h40; Top Overlay "16" at 6455,4000 h40; Top Overlay "1" at 5585,3890 h40; Top Overlay "2" at 5575,3990 h40
S2: Top Overlay "ON" at 8661.77,3520 h39.37 r270
U6: Top Overlay "BELL" at 8115,1695 h59.06 r270